# Altium PCB LPC4357_SDRAM_v0.2.PcbDoc (part 1 of 3)
Units mm, origin at the board's own origin, x right, y up, seen from the top; angles counter-clockwise.
Board outline 50 x 50 mm, 4 copper layers (Top Layer, Int1 (GND), Int2 (PWR), Bottom Layer), stack 1.57 mm thick; 82 components, 233 nets, 695 pads, 346 vias.
Unrouted connection lines stored in the file: 15.
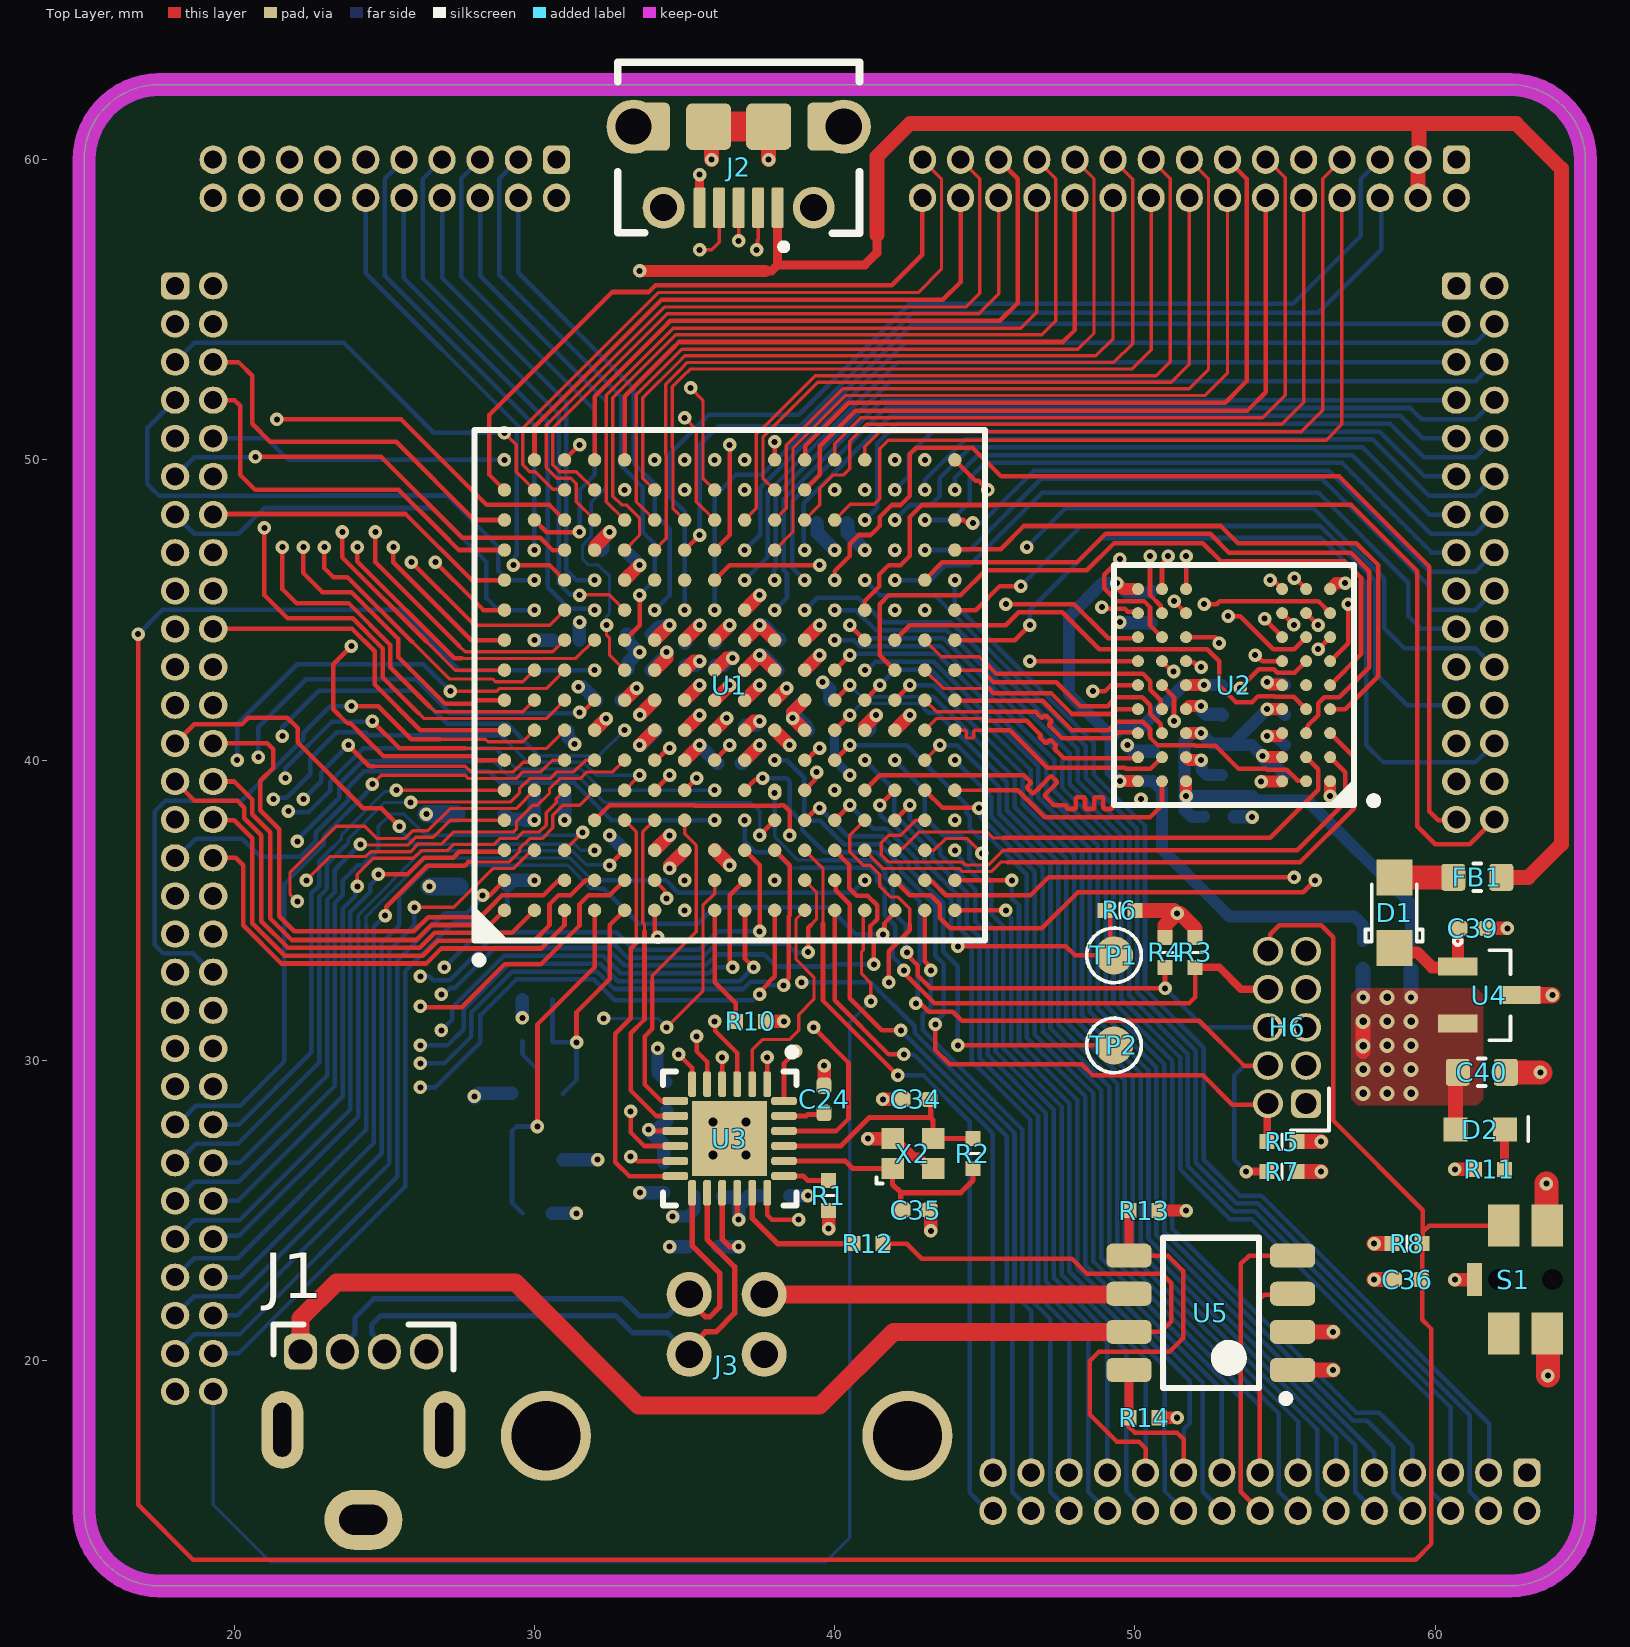
[diagram p0: Top Layer view]
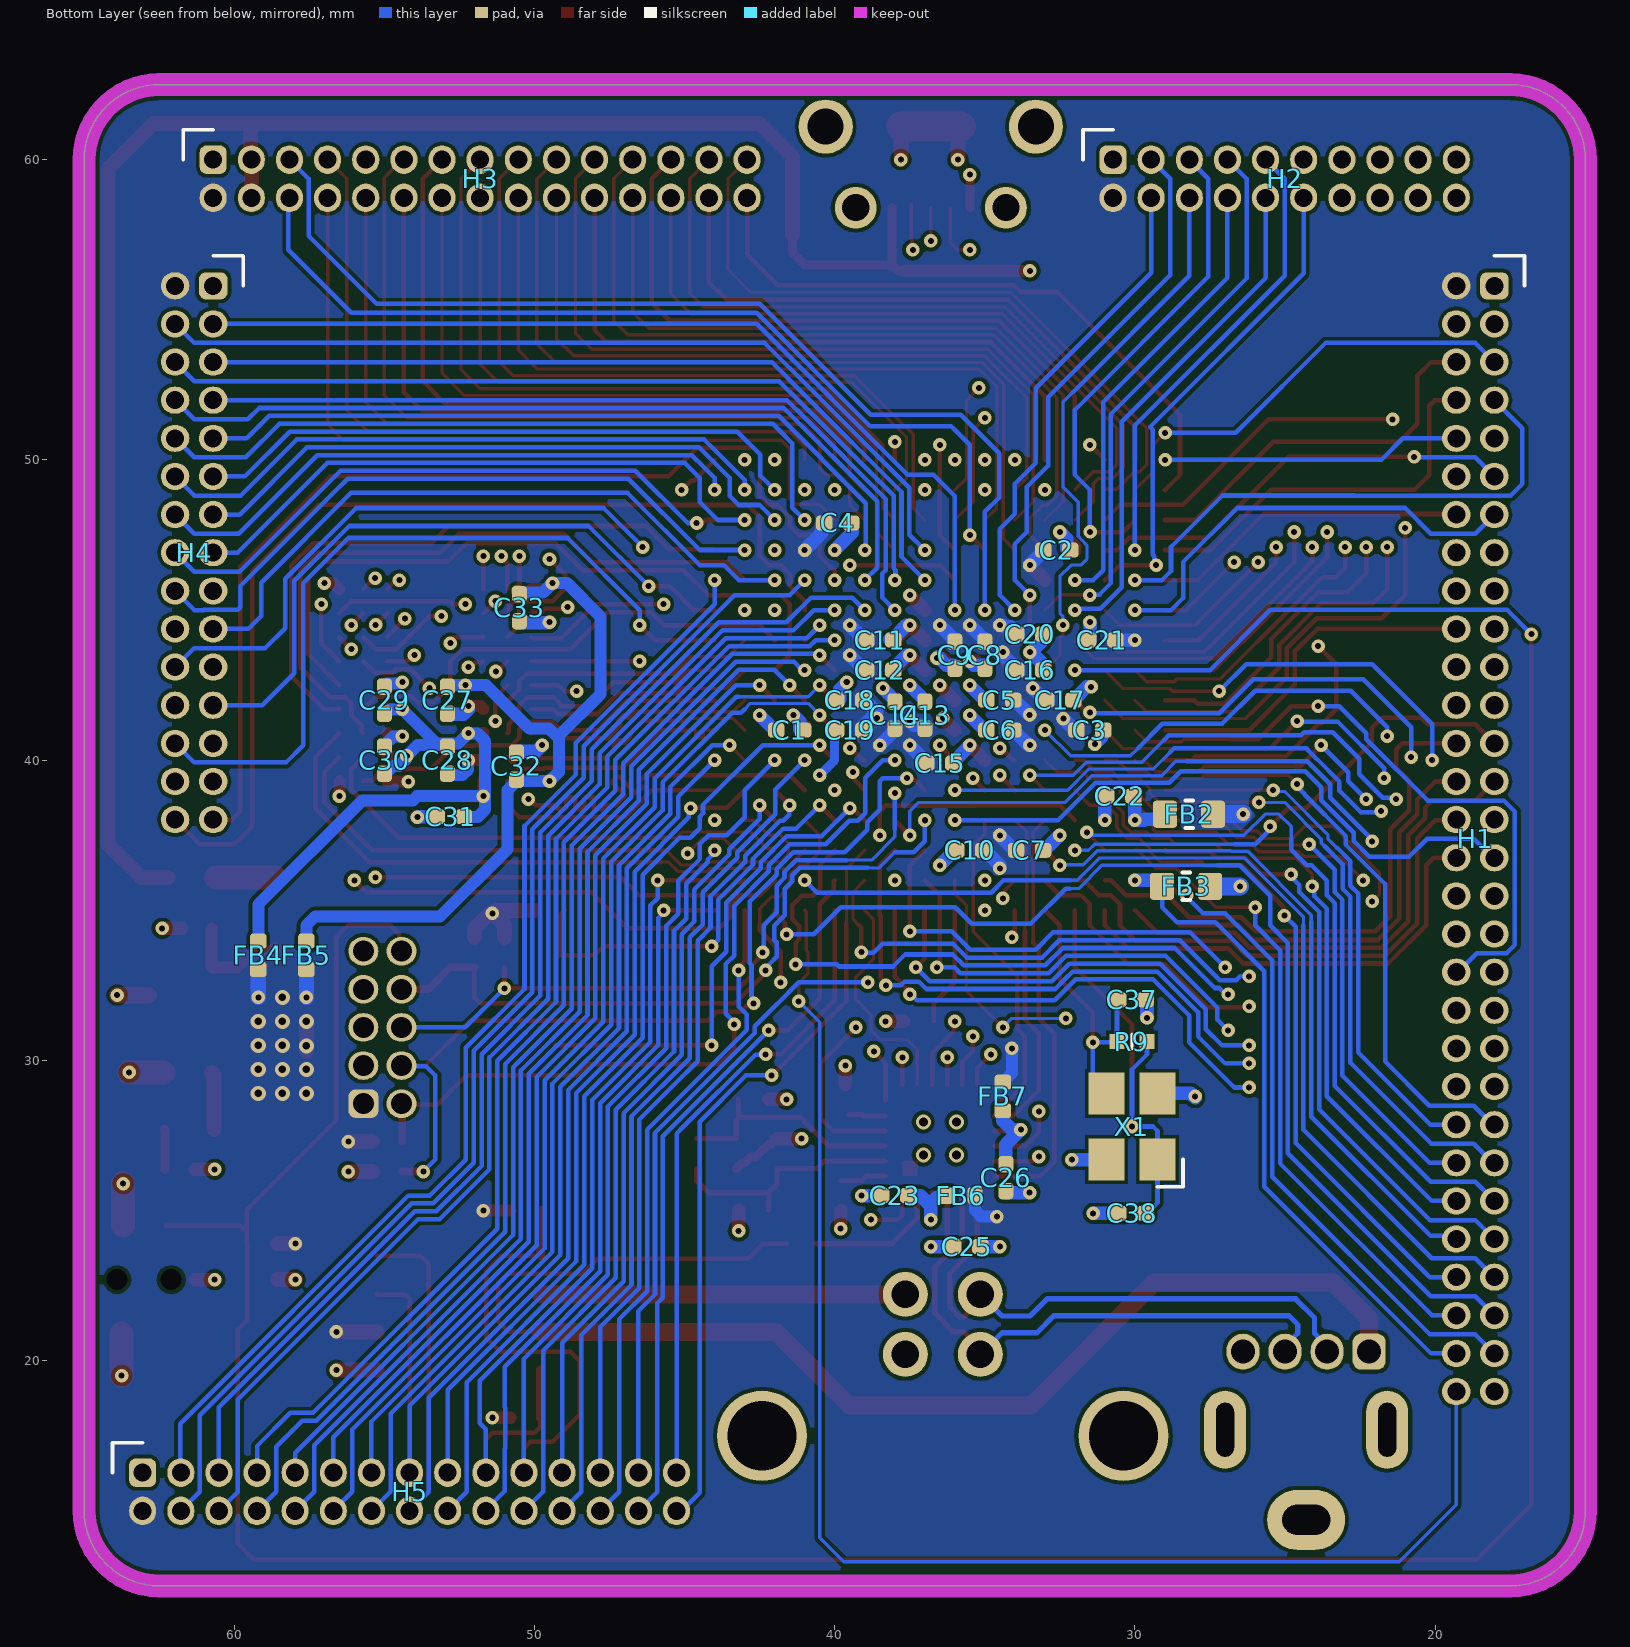
[diagram p1: Bottom Layer view, seen from below]
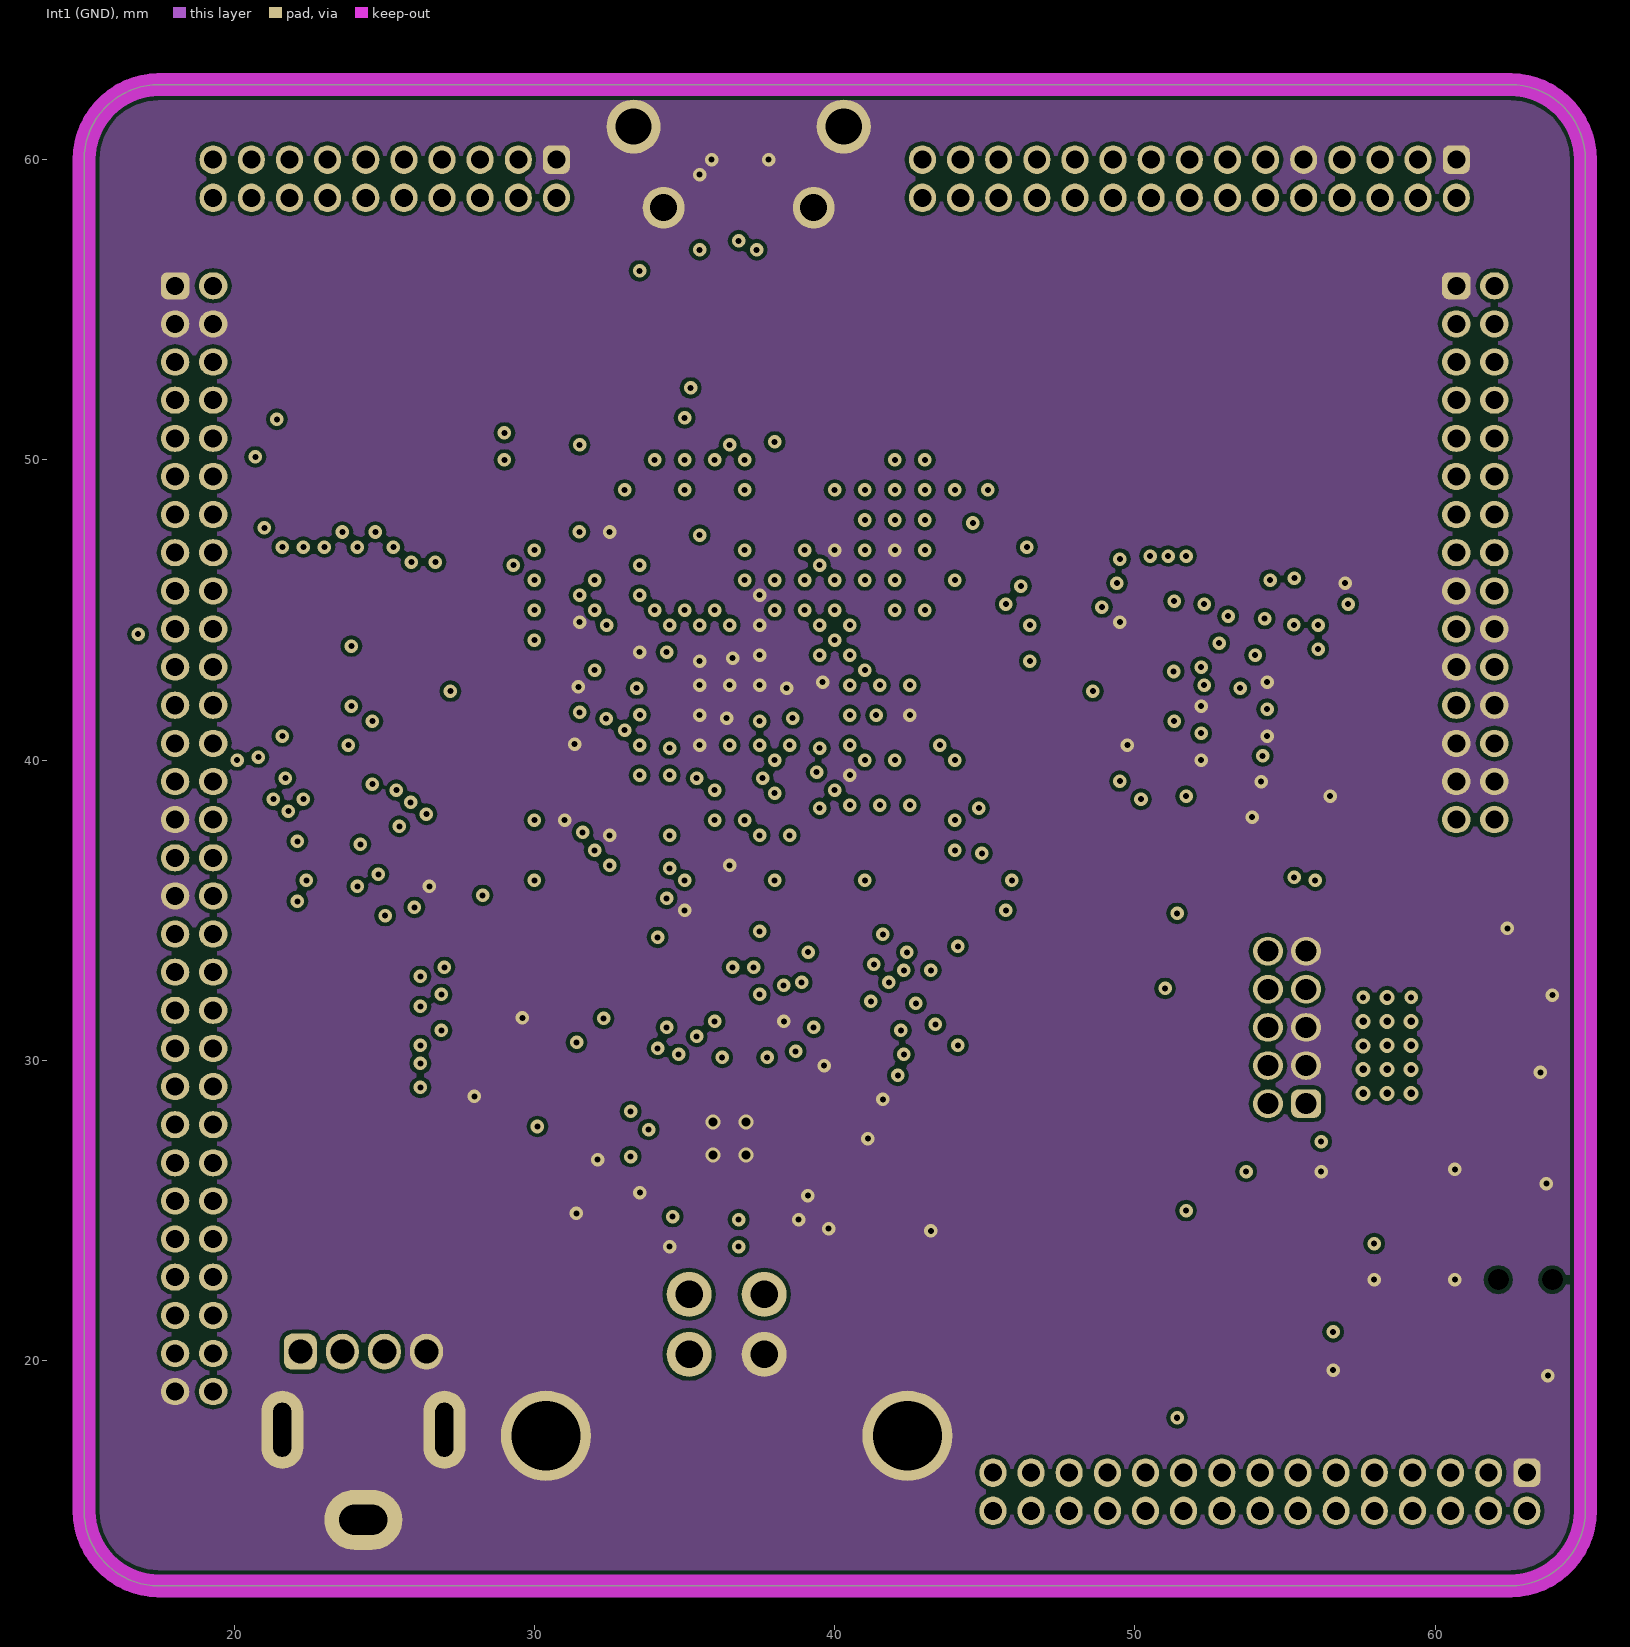
[diagram p2: Int1 (GND)]
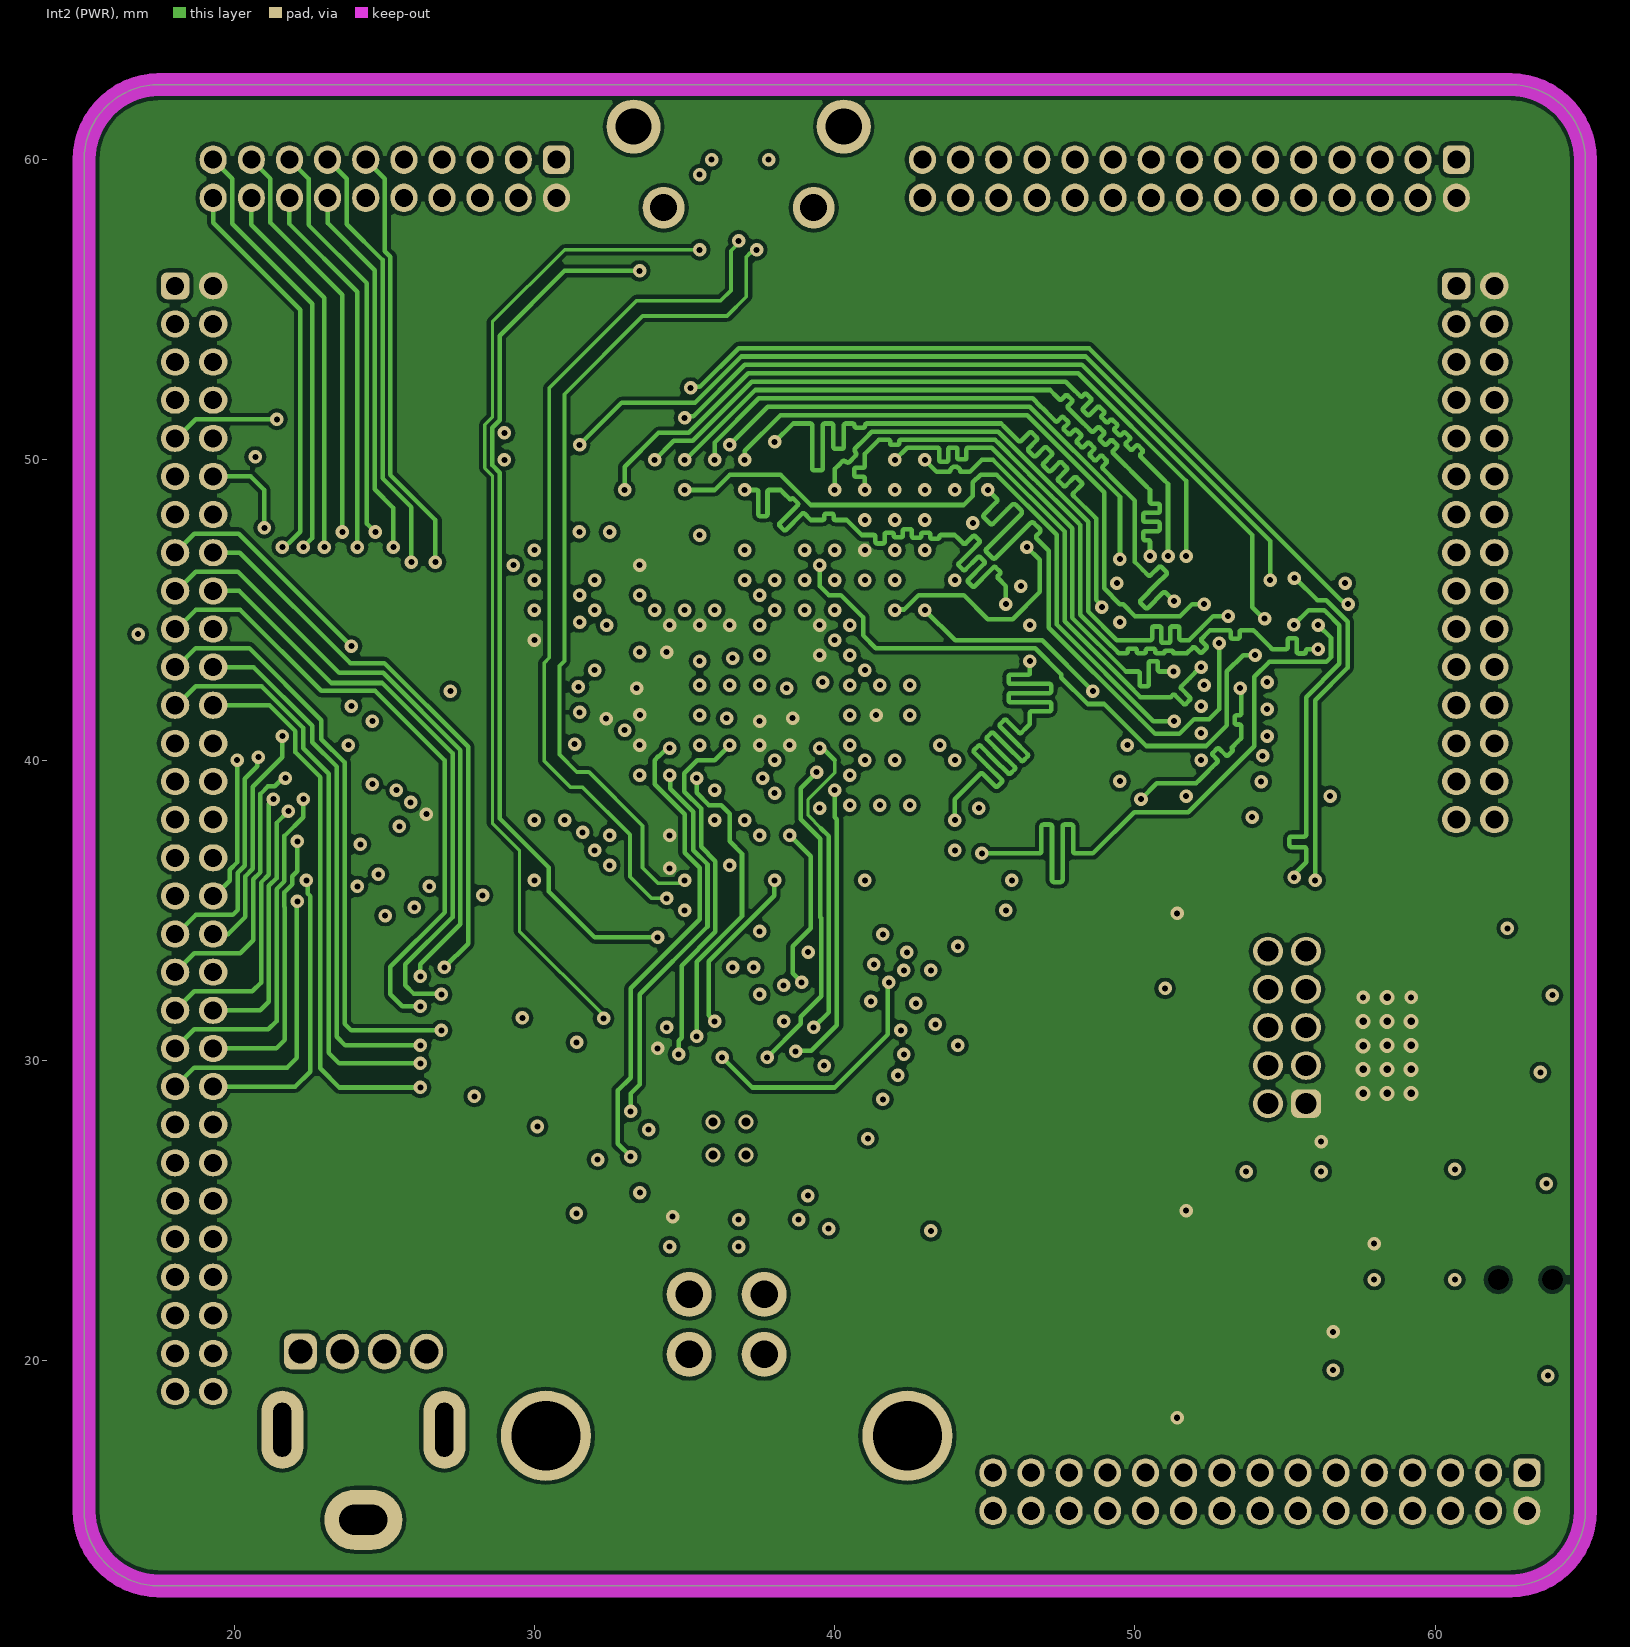
[diagram p3: Int2 (PWR)]
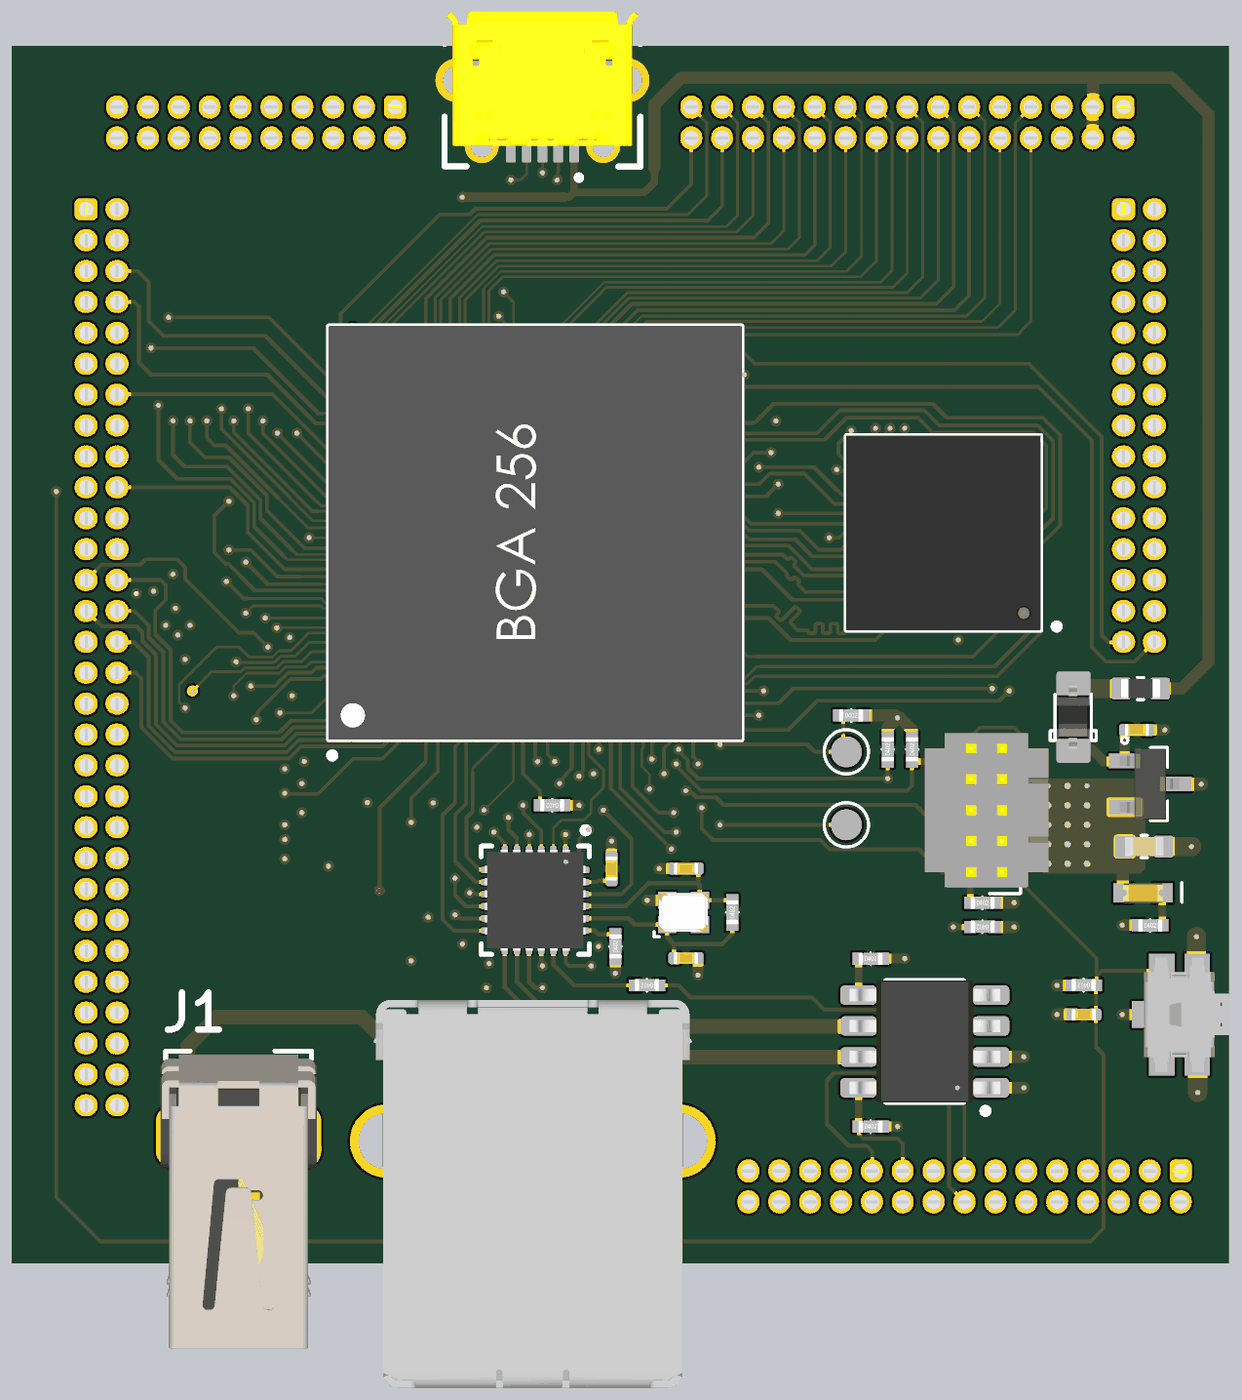
[diagram p6: 3D render of the assembled board from above, using the file's embedded part models]
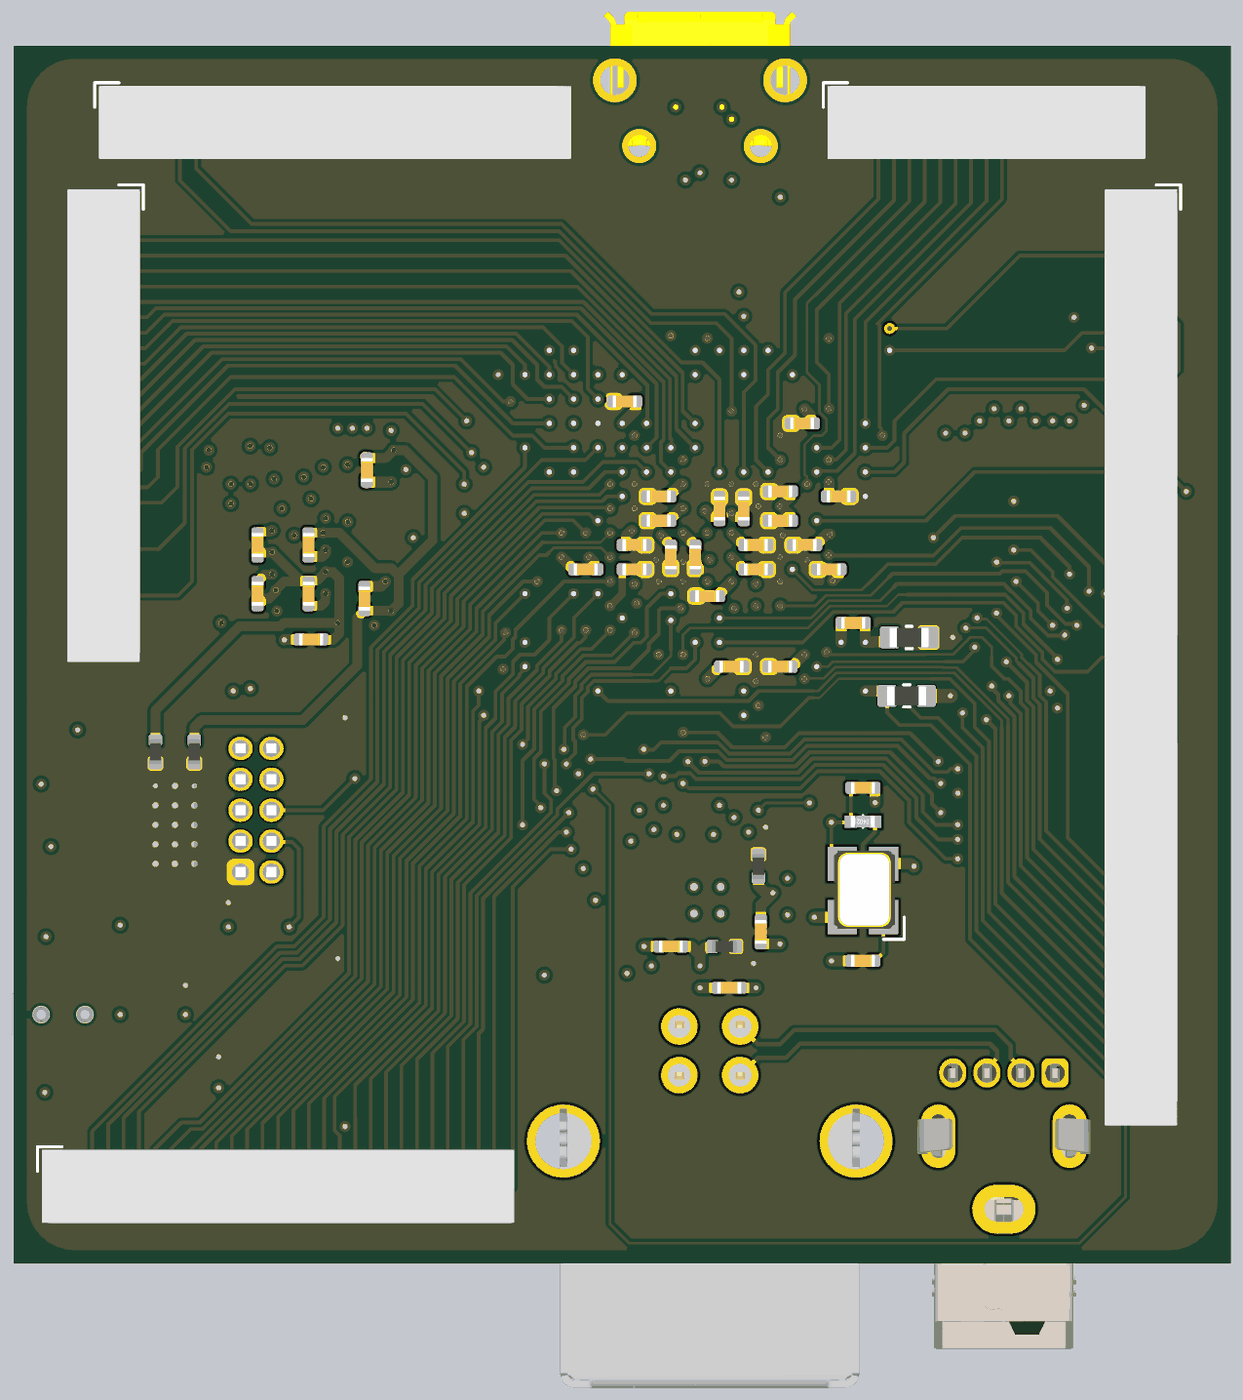
[diagram p7: 3D render of the assembled board from below, using the file's embedded part models]

## Layer stack, top to bottom
Top Solder: solder mask 0.0127, SM-001, Dk 3.8
Top Layer: signal copper 0.035
2313: prepreg 0.1, PP-017, Dk 4.05
Int1 (GND): signal copper 0.0175
Dielectric 3: core 1.265, Core-039, Dk 4.05
Int2 (PWR): signal copper 0.0175
Dielectric 5: prepreg 0.1, PP-017, Dk 4.05
Bottom Layer: signal copper 0.035
Bottom Solder: solder mask 0.0127, SM-001, Dk 3.8

## Board outline
15,15 ccw(c17.5,15) 17.5,12.5 62.5,12.5 ccw(c62.5,15) 65,15 65,60 ccw(c62.5,60) 62.5,62.5 17.5,62.5 ccw(c17.5,60) 15,60

## Design rules (kind name [scope] priority, off if disabled: settings)
Clearance Clearance_Poly [InPolygon] p1: gap=0.127 ignorepadtopadclearanceinfootprint=FALSE // Polygon Pour Clearance
Clearance Clearance_BGA [WithinRoom('BGA_Area')] p2: gap=0.11 ignorepadtopadclearanceinfootprint=FALSE // Create Even Spacing
Clearance [All] p3: gap=0.11 ignorepadtopadclearanceinfootprint=FALSE except(0.127: Track-Via Via-Via; 0.254: Poly-Poly)
DiffPairsRouting [All] p1: maxlimit=0.5 minlimit=0.127 mostfreqgap=0.38 toplayer_minwidth=0.089 toplayer_maxwidth=2.54 toplayer_prefwidth=0.175 midlayer1_minwidth=0.089 midlayer1_maxwidth=2.54 midlayer1_prefwidth=0.154 midlayer2_minwidth=0.089 midlayer2_maxwidth=2.54 midlayer2_prefwidth=0.154 bottomlayer_minwidth=0.089 bottomlayer_maxwidth=2.54 bottomlayer_prefwidth=0.175 impedanceprofiledriven=TRUE impedanceprofileid={19EFDE2F-10DD-4C90-9AE3-6366B3BCEC6F} impedanceprofilevalue=90.000000 maxuncoupledlength=12.7
MatchedLengths [InDifferentialPair('USB0')] p1: tolerance=0.635 checknetsindiffpair=FALSE checkdiffpairvsdiffpair=TRUE checkxsignals=TRUE checkothers=TRUE
MatchedLengths Address-MatchLengths_xSignals_U1_U2 [InxSignalClass('xSignals_U1_U2_Address-MatchLengthsClass')] p2: tolerance=20 checknetsindiffpair=FALSE checkdiffpairvsdiffpair=TRUE checkxsignals=TRUE checkothers=TRUE
MatchedLengths Data-MatchLengths_xSignals_U1_U2 [InxSignalClass('xSignals_U1_U2_Data-MatchLengthsClass')] p3: tolerance=20 checknetsindiffpair=FALSE checkdiffpairvsdiffpair=TRUE checkxsignals=TRUE checkothers=TRUE
MinimumSolderMaskSliver [All] p1: minsoldermaskwidth=0.102
PolygonConnect PolygonConnect-Direct [IsPoly vs IsVia or ((Net = '3V3') or (Net = 'GND'))] p1: connectstyle=Direct reliefconductorwidth=0.254 reliefentries=4 polygonreliefangle="90 Angle" airgapwidth=0.254
PolygonConnect [All] p2: connectstyle=Relief reliefconductorwidth=0.254 reliefentries=4 polygonreliefangle="90 Angle" airgapwidth=0.254
RoomDefinition BGA_Area [False] p1: confinementstyle=ConfineIn formatcopy=TRUE lockcomponents=FALSE outline 28.1,51 45,51 45,34 28.1,34
RoutingVias [All] p1: holewidth=0.2 width=0.45 viastyle="Through Hole" minholewidth=0.2 minwidth=0.45 maxholewidth=0.711 maxwidth=1.27
SolderMaskExpansion [All] p1: expansion=0.102
Width Width_BGA [WithinRoom('BGA_Area')] p1: maxlimit=0.45 minlimit=0.089 preferedwidth=0.11
Width [All] p2: maxlimit=1 minlimit=0.089 preferedwidth=0.152
28 further rules are at their usual default settings.

## Classes and differential pairs
net class SDRAM-Commands: EMC_CAS EMC_CKE EMC_CLK EMC_CS0 EMC_DQM0 EMC_DQM1 EMC_RAS EMC_WE
net class SDRAM-Data: EMC_DQ0 EMC_DQ1 EMC_DQ2 EMC_DQ3 EMC_DQ4 EMC_DQ5 EMC_DQ6 EMC_DQ7 EMC_DQ8 EMC_DQ9 EMC_DQ10 EMC_DQ11 EMC_DQ12 EMC_DQ13 EMC_DQ14 EMC_DQ15
net class SDRAM-Address: EMC_A0 EMC_A1 EMC_A2 EMC_A3 EMC_A4 EMC_A5 EMC_A6 EMC_A7 EMC_A8 EMC_A9 EMC_A10 EMC_A11 EMC_A12 EMC_A13 EMC_A14
differential pair USB0: +USB0_D_P -USB0_D_N
differential pair D: +D_P -D_N
